# Altium PCB Evaluation Board.PcbDoc (part 9 of 22) (continued)
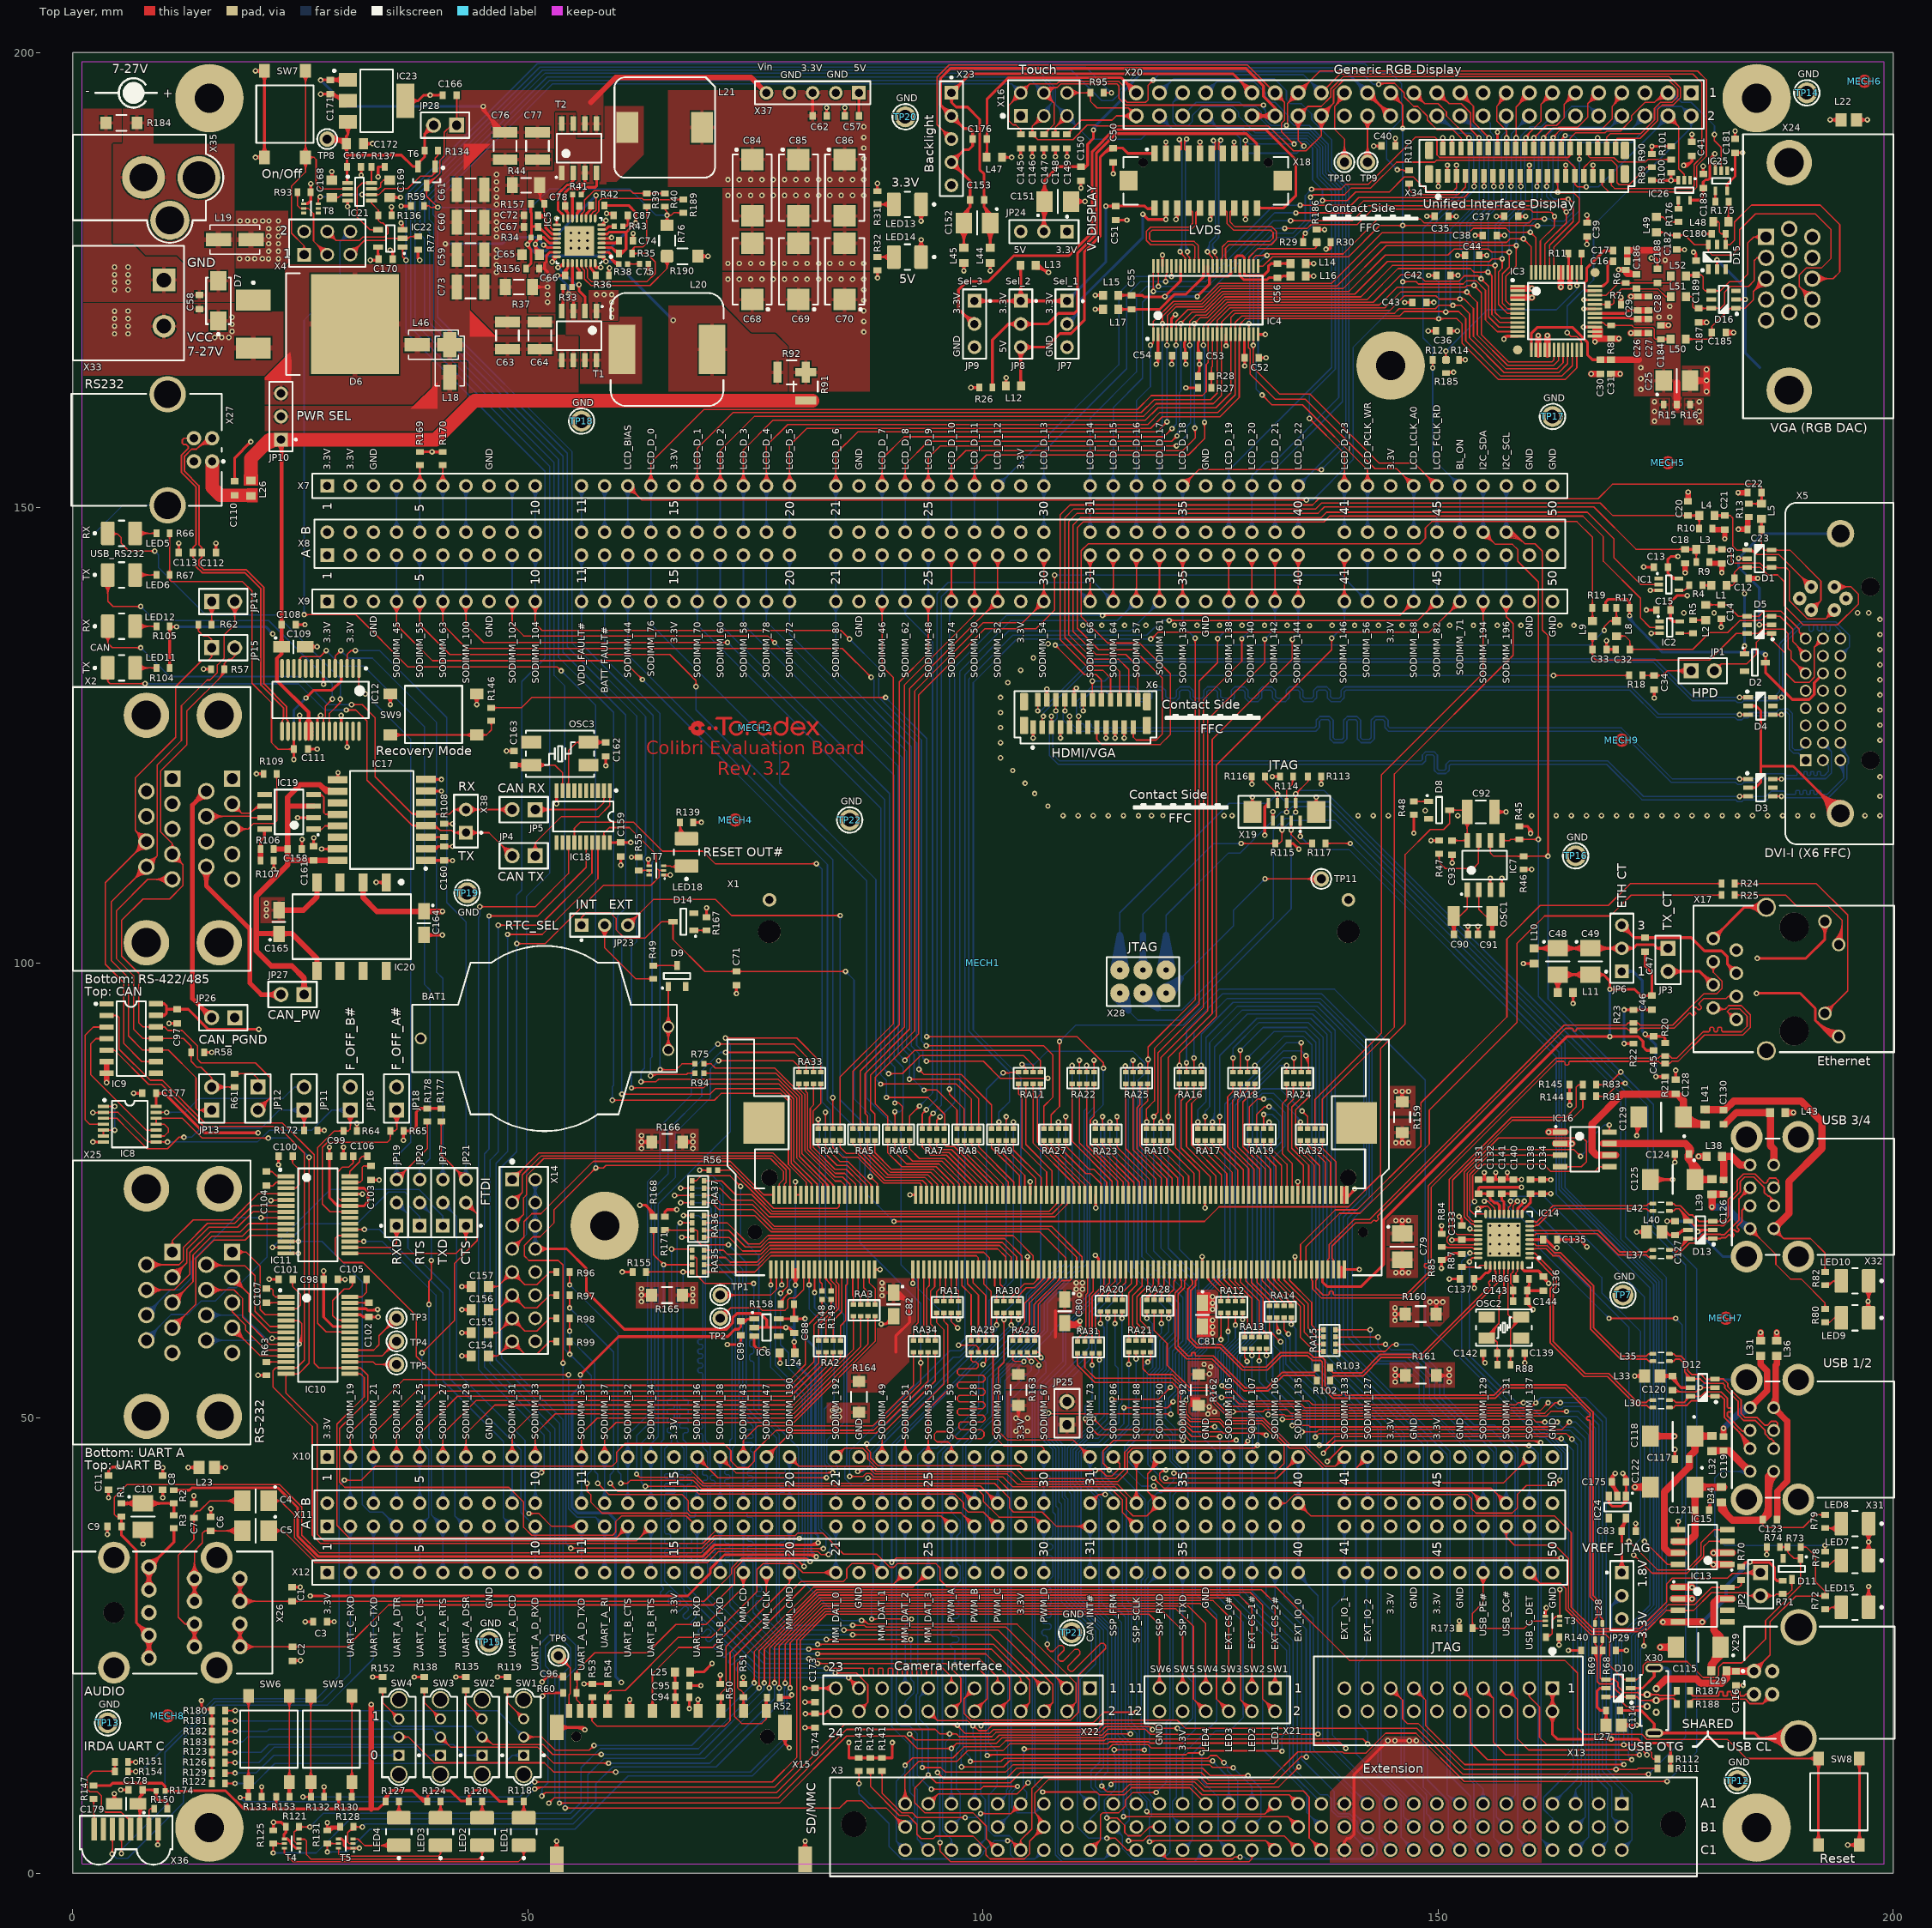
[diagram p0: Top Layer view]
## Nets (pads, with @x,y where several pads share a name; then routed paths per layer and width w, separated by ;. In a path a pad name is that pad's centre, name@x,y a point inside that pad or via, vN(x,y) a via of type N, cw(c..) or ccw(c..) an arc to the next point about the centre after c; other vN are vias at no path point) (continued)
HEADPHONE_AC_L: C4.2 C7.2 X26.24 X26.25 | length 49.6
  Top Layer w0.15: X26.24@12.605,27.164 ccw(c12.325,27.085) 12.325,27.375 ; X26.24@12.605,27.586 cw(c12.325,27.665) 12.325,27.375 ; X26.25@12.802,25.423 ccw(c11.479,26.746) 13.35,26.746 ccw(c15.221,26.746) X26.25@13.898,25.423 ; X26.24@12.802,26.827 cw(c11.479,25.504) 13.35,25.504 cw(c15.221,25.504) X26.24@13.898,26.827 ; X26.25@12.908,25.317 ccw(c11.841,26.383) 13.35,26.383 ccw(c14.859,26.384) X26.25@13.792,25.317 ; X26.24@12.908,26.933 cw(c11.841,25.866) 13.35,25.866 cw(c14.859,25.866) X26.24@13.792,26.933 ; X26.25@13.014,25.211 ccw(c12.204,26.021) 13.35,26.021 ccw(c14.497,26.021) X26.25@13.686,25.211 ; X26.24@13.014,27.039 cw(c12.204,26.228) 13.35,26.228 cw(c14.497,26.228) X26.24@13.686,27.039 ; C7.2@13.097,38.837 cw(c12.627,38.367) 13.291,38.367 cw(c13.955,38.367) C7.2@13.485,38.837 ; X26.25@13.128,25.617 ccw(c13.065,25.83) 13.283,25.87 ccw(c13.576,25.923) X26.25@13.514,25.632 ; C7.2@13.161,39.273 ccw(c13.044,39.491) 13.291,39.491 ; X26.25@13.187,25.632 ccw(c13.124,25.923) 13.417,25.87 ccw(c13.635,25.83) X26.25@13.572,25.617 ; X26.25@13.35,24.875 X26.24@13.35,27.375 12.325,27.375 ; C7.2@13.421,39.273 cw(c13.538,39.491) 13.291,39.491 ; C4.2@18.03,40.318 ccw(c16.621,38.909) 16.621,40.901 ccw(c16.621,42.893) C4.2@18.03,41.484 ; C4.2@18.136,40.424 ccw(c16.983,39.271) 16.983,40.901 ccw(c16.983,42.53) C4.2@18.136,41.378 ; C4.2@18.242,40.53 ccw(c17.346,39.633) 17.346,40.901 ccw(c17.346,42.168) C4.2@18.242,41.272 ; C4.2@18.348,40.636 ccw(c17.708,39.996) 17.708,40.901 ccw(c17.708,41.806) C4.2@18.348,41.166 ; C4.2@18.613,40.901 15.026,40.901 13.931,39.806 13.606,39.806 13.291,39.491 ; 12.325,27.375 11.575,28.125 11.575,34.925 13.291,36.641 C7.2@13.291,39.031 13.291,39.491
HEADPHONE_AC_R: C5.2 C6.2 X26.22 X26.23 | length 46
  Top Layer w0.15: X26.23@12.802,30.423 ccw(c11.479,31.746) 13.35,31.746 ccw(c15.221,31.746) X26.23@13.898,30.423 ; X26.22@12.802,31.827 cw(c11.479,30.504) 13.35,30.504 cw(c15.221,30.504) X26.22@13.898,31.827 ; X26.22@12.802,32.923 ccw(c11.479,34.246) 13.35,34.246 ccw(c15.221,34.246) X26.22@13.898,32.923 ; X26.23@12.908,30.317 ccw(c11.841,31.383) 13.35,31.383 ; X26.22@12.908,31.933 cw(c11.841,30.866) 13.35,30.866 cw(c14.859,30.866) X26.22@13.792,31.933 ; X26.22@12.908,32.817 ccw(c11.841,33.884) 13.35,33.884 ccw(c14.859,33.884) X26.22@13.792,32.817 ; X26.23@13.014,30.211 ccw(c12.204,31.021) 13.35,31.021 ccw(c14.497,31.021) X26.23@13.686,30.211 ; X26.22@13.014,32.039 cw(c12.204,31.228) 13.35,31.228 cw(c14.497,31.228) X26.22@13.686,32.039 ; X26.22@13.014,32.711 ccw(c12.203,33.521) 13.35,33.521 ccw(c14.497,33.521) X26.22@13.686,32.711 ; X26.22@13.128,31.632 cw(c13.065,31.419) 13.283,31.379 cw(c13.576,31.326) X26.22@13.514,31.617 ; X26.22@13.187,31.617 cw(c13.124,31.326) 13.417,31.379 cw(c13.635,31.419) X26.22@13.572,31.632 ; X26.23@13.35,29.875 X26.22@13.35,32.375 13.35,35.409 14.216,36.274 14.216,37.341 14.481,37.606 ; 13.35,31.384 ccw(c14.859,31.384) X26.23@13.792,30.317 ; C6.2@14.865,37.428 ccw(c14.481,37.102) 14.481,37.606 ; C6.2@14.865,37.784 cw(c14.481,38.11) 14.481,37.606 ; C6.2@15.419,37.412 cw(c15.903,36.928) 15.903,37.612 ; C6.2@15.419,37.801 ccw(c15.875,38.256) 15.875,37.612 ; C5.2@18.03,37.029 ccw(c16.621,35.62) 16.621,37.612 ccw(c16.621,39.604) C5.2@18.03,38.195 ; C5.2@18.136,37.135 ccw(c16.983,35.982) 16.983,37.612 ccw(c16.983,39.241) C5.2@18.136,38.089 ; C5.2@18.242,37.241 ccw(c17.346,36.344) 17.346,37.612 ccw(c17.346,38.879) C5.2@18.242,37.983 ; C5.2@18.348,37.347 ccw(c17.708,36.707) 17.708,37.612 ccw(c17.708,38.517) C5.2@18.348,37.877 ; C5.2@18.613,37.612 15.156,37.612 C6.2@15.15,37.606 14.481,37.606
HEADPHONE_L: C4.1 X1.15 | length 102.5
  Top Layer w0.15: C4.1@21.513,40.901 22.799,40.901 ; C4.1@22.127,40.619 cw(c22.565,40.418) 22.565,40.901 cw(c22.565,41.384) C4.1@22.127,41.182 ; C4.1@22.263,40.557 cw(c22.799,40.311) 22.799,40.901 ; C4.1@22.263,41.245 ccw(c22.799,41.491) 22.799,40.901 ; v1@80.723,64.777 ccw(c80.339,65.161) 80.882,65.161 ccw(c81.425,65.161) v1@81.041,64.777 ; X1.15@80.811,65.421 cw(c80.641,65.25) 80.882,65.25 cw(c81.123,65.25) X1.15@80.953,65.421 ; v1(80.882,64.618) X1.15@80.882,66.316 ; v1@82.291,35.491 ccw(c81.907,35.107) 81.907,35.65 ccw(c81.907,36.193) v1@82.291,35.809 ; v1(82.45,35.65) 70.58,35.65 69.355,34.425 26.789,34.425 24.325,36.889 24.325,39.375 22.799,40.901
  Bottom Layer w0.15: v1@80.723,64.459 cw(c80.339,64.074) 80.882,64.074 cw(c81.425,64.074) v1@81.041,64.459 ; v1(80.882,64.618) 80.882,61.993 81.945,60.93 81.945,37.781 82.75,36.976 82.75,35.95 v1(82.45,35.65)
HEADPHONE_R: C5.1 X1.17 | length 106.3
  Top Layer w0.15: C5.1@21.513,37.612 23.088,37.612 ; C5.1@21.945,37.313 cw(c22.515,36.918) 22.515,37.612 cw(c22.515,38.306) C5.1@21.945,37.911 ; C5.1@22.068,37.228 cw(c22.802,36.719) 22.802,37.612 cw(c22.802,38.505) C5.1@22.068,37.996 ; C5.1@22.191,37.142 cw(c23.088,36.521) 23.088,37.612 ; C5.1@22.191,38.082 ccw(c23.088,38.703) 23.088,37.612 ; v1@81.327,63.941 ccw(c80.943,64.325) 81.486,64.325 ccw(c82.029,64.325) v1@81.645,63.941 ; X1.17@81.411,65.421 cw(c81.231,65.24) 81.486,65.24 ; v1(81.486,63.782) X1.17@81.486,66.316 ; 81.486,65.26 cw(c81.714,65.26) X1.17@81.553,65.421 ; v1@82.866,34.841 ccw(c82.482,34.457) 82.482,35 ccw(c82.482,35.543) v1@82.866,35.159 ; v1(83.025,35) 82.2,35 81.85,35.35 70.953,35.35 69.728,34.125 26.575,34.125 23.088,37.612
  Bottom Layer w0.15: v1@81.327,63.623 cw(c80.943,63.239) 81.486,63.239 cw(c82.029,63.239) v1@81.645,63.623 ; v1(81.486,63.782) 81.486,62.1 82.245,61.341 82.245,37.905 83.275,36.875 83.275,35.25 v1(83.025,35) ; v1@82.866,35.159 ccw(c81.878,36.147) 83.275,36.147 ; v1@82.972,35.053 ccw(c82.24,35.785) 83.275,35.785 ; v1@83.078,34.947 ccw(c82.603,35.422) 83.275,35.422
HOTPLUG_DETECT: C34.1 JP1.1 R18.2 | length 15.5
  Top Layer w0.15: R18.2@172.429,131.572 C34.1@173.736,131.572 174.647,131.572 175.175,132.1 177.78,132.1 JP1.1@177.8,132.08 ; R18.2@172.606,131.395 cw(c173.033,130.968) 173.033,131.572 cw(c173.033,132.176) R18.2@172.606,131.749 ; C34.1@173.467,131.378 ccw(c172.997,130.908) 172.997,131.572 ccw(c172.997,132.236) C34.1@173.467,131.766 ; C34.1@174.005,131.378 cw(c174.475,130.908) 174.475,131.572 cw(c174.475,132.236) C34.1@174.005,131.766 ; 175.941,132.1 cw(c175.941,130.221) JP1.1@177.27,131.55 ; 176.038,132.1 ccw(c176.038,133.842) JP1.1@177.27,132.61 ; 176.303,132.1 cw(c176.303,130.583) JP1.1@177.376,131.656 ; 176.4,132.1 ccw(c176.4,133.48) JP1.1@177.376,132.504 ; 176.665,132.1 cw(c176.665,130.945) JP1.1@177.482,131.762 ; 176.762,132.1 ccw(c176.762,133.118) JP1.1@177.482,132.398
HOTPLUG_DETECT_C: D5.1 JP1.2 X5.16 | length 29
  Top Layer w0.15: JP1.2@180.34,132.08 181.11,132.85 ; JP1.2@180.585,132.628 ccw(c180.721,132.931) 180.956,132.696 ccw(c181.191,132.461) JP1.2@180.888,132.325 ; JP1.2@180.646,132.765 ccw(c180.816,133.144) 181.11,132.85 ; JP1.2@181.025,132.386 cw(c181.404,132.556) 181.11,132.85 ; D5.1@186.242,136.063 ccw(c185.944,135.764) 185.944,136.187 ccw(c185.944,136.609) D5.1@186.242,136.31 ; D5.1@186.517,136.063 cw(c186.219,135.764) 186.641,135.764 cw(c187.063,135.764) D5.1@186.765,136.063 ; X5.16@191.705,135.616 cw(c190.407,135.591) 191.325,134.673 ; X5.16@191.855,135.619 cw(c190.896,135.6) 191.574,134.922 cw(c192.253,134.243) X5.16@192.272,135.203 ; X5.16@192.269,135.053 ccw(c192.243,133.754) 191.325,134.673 ; X5.16@192.28,135.628 191.325,134.673 ; 181.11,132.85 183.9,132.85 184.975,133.925 184.975,135.225 185.937,136.187 D5.1@186.641,136.187 186.641,135.534 188.175,134 188.175,131.85 189.2,130.825 190.775,130.825 191.325,131.375 191.325,134.673
HOTPLUG_DETECT_T: R18.1 X6.14 | length 66.6
  Top Layer w0.14: v1@111.837,130.787 cw(c111.44,130.39) 112.002,130.39 ; X6.14@111.839,129.504 ccw(c111.447,129.897) 112.002,129.897 ccw(c112.557,129.897) X6.14@112.165,129.504 ; v1(112,130.95) 112.002,130.948 X6.14@112.002,128.891 ; 112.002,130.4 cw(c112.55,130.4) v1@112.163,130.787
  Top Layer w0.15: v1(162.675,131.572) R18.1@170.979,131.572 ; v1@162.834,131.413 cw(c163.218,131.029) 163.218,131.572 cw(c163.218,132.115) v1@162.834,131.731 ; R18.1@170.802,131.395 ccw(c170.375,130.968) 170.375,131.572 ccw(c170.375,132.176) R18.1@170.802,131.749
  Bottom Layer w0.14: v1(112,130.95) 113.35,130.95 113.972,131.572 v1(162.675,131.572) ; v1@112.163,130.787 cw(c112.555,130.395) 112.555,130.95 cw(c112.555,131.505) v1@112.163,131.113 ; v1@162.512,131.409 ccw(c162.12,131.017) 162.12,131.572 ccw(c162.12,132.127) v1@162.512,131.735
I2C_SCL: IC7.6 R46.1 R83.1 X3.C28 X7.48 X8.B48 X22.15 | length 324.1
  Top Layer w0.15: 93.509,10.375 cw(c93.98,9.904) 93.98,10.57 cw(c93.98,10.027) 94.364,10.411 cw(c94.748,10.795) v1@94.205,10.795 ; 93.632,10.498 ccw(c93.334,10.795) v1@93.755,10.795 ; v1@93.929,10.795 92.481,9.347 92.481,7.74 93.576,6.645 98.874,6.645 100.355,5.163 100.355,3.785 X3.C28@101.6,2.54 ; v1(93.98,10.795) 94.844,9.931 102.997,9.931 104.116,11.05 123.975,11.05 124.831,10.194 131.453,10.194 134.586,13.327 139.499,13.327 139.635,13.191 142.041,13.191 144.225,15.375 147.567,15.375 152.859,10.084 v1(175.158,10.084) ; X3.C28@100.925,2.54 ccw(c99.295,2.54) 100.448,3.692 ccw(c101.6,4.845) X3.C28@101.6,3.215 ; X3.C28@101.075,2.54 ccw(c99.808,2.54) 100.704,3.436 ccw(c101.6,4.332) X3.C28@101.6,3.065 ; X3.C28@101.225,2.54 ccw(c100.32,2.54) 100.96,3.18 ccw(c101.6,3.82) X3.C28@101.6,2.915 ; IC7.6@155.568,112.777 cw(c155.184,112.393) 155.727,112.393 cw(c156.271,112.393) IC7.6@155.886,112.777 ; IC7.6@155.727,113.436 155.727,112.09 156.102,111.715 R46.1@159.377,111.715 v1(162.071,111.715) 162.077,111.722 162.077,135.948 161.45,136.575 161.45,145.25 160.65,146.05 159.525,146.05 ; X8.B48@157.441,147.542 cw(c157.612,146.577) 158.305,147.27 ; X8.B48@157.467,147.394 cw(c157.674,146.232) 158.509,147.066 ; X8.B48@157.48,147.32 158.255,147.32 ; X8.B48@157.493,147.246 cw(c157.735,145.887) 158.712,146.863 ; X8.B48@157.519,147.098 cw(c157.797,145.542) 158.915,146.66 ; X8.B48@157.546,146.951 cw(c157.859,145.197) 159.118,146.457 ; X8.B48@157.572,146.803 cw(c157.92,144.852) 159.322,146.253 ; X8.B48@157.598,146.655 cw(c157.982,144.507) 159.525,146.05 ; X8.B48@158.149,147.227 cw(c158.255,147.213) 158.255,147.32 ; X8.B48@158.149,147.413 ccw(c158.255,147.427) 158.255,147.32 ; R46.1@159.101,111.539 ccw(c158.674,111.112) 158.674,111.715 ccw(c158.674,112.319) R46.1@159.101,111.892 ; R46.1@159.654,111.539 cw(c160.081,111.112) 160.081,111.715 cw(c160.081,112.319) R46.1@159.654,111.892 ; v1@161.912,111.556 ccw(c161.528,111.172) 161.528,111.715 ccw(c161.528,112.259) 161.912,111.874 ccw(c161.513,112.274) 162.077,112.274 ; 162.077,112.244 ccw(c162.599,112.244) v1@162.23,111.874 ; R83.1@167.348,86.615 168.665,86.615 v1(170.075,88.025) ; R83.1@167.525,86.438 cw(c167.952,86.011) 167.952,86.615 cw(c167.952,87.219) R83.1@167.525,86.792 ; v1@169.85,88.025 cw(c169.307,88.025) 169.691,87.641 cw(c170.075,87.257) v1@170.075,87.8 ; v1@174.999,9.925 ccw(c174.615,9.541) 174.615,10.084 ccw(c174.615,10.627) v1@174.999,10.243 ; 158.255,147.32 159.525,146.05
  Bottom Layer w0.15: X22.15@93.31,20.236 cw(c92.248,20.102) 93.005,19.345 ; X22.15@93.459,20.254 cw(c92.633,20.151) 93.222,19.562 cw(c93.811,18.973) X22.15@93.914,19.799 ; X22.15@93.608,20.273 cw(c93.018,20.199) 93.438,19.778 cw(c93.859,19.358) X22.15@93.933,19.948 ; v1@93.821,10.954 ccw(c93.437,11.338) 93.98,11.338 ccw(c94.523,11.338) v1@94.139,10.954 ; X22.15@93.896,19.65 ccw(c93.762,18.588) 93.005,19.345 ; v1(93.98,10.795) 93.98,15.954 93.005,16.929 93.005,19.345 ; X22.15@93.98,20.32 93.005,19.345 ; X8.B48@157.003,147.797 ccw(c155.85,148.95) 157.48,148.95 ccw(c159.11,148.95) X8.B48@157.957,147.797 ; X7.48@157.003,151.923 cw(c155.85,150.77) 157.48,150.77 cw(c159.11,150.77) X7.48@157.957,151.923 ; X8.B48@157.109,147.691 ccw(c156.213,148.587) 157.48,148.587 ccw(c158.747,148.587) X8.B48@157.851,147.691 ; X7.48@157.109,152.029 cw(c156.213,151.133) 157.48,151.133 cw(c158.747,151.133) X7.48@157.851,152.029 ; X8.B48@157.215,147.585 ccw(c156.575,148.225) 157.48,148.225 ccw(c158.385,148.225) X8.B48@157.745,147.585 ; X7.48@157.215,152.135 cw(c156.575,151.495) 157.48,151.495 cw(c158.385,151.495) X7.48@157.745,152.135 ; X8.B48@157.48,147.32 X7.48@157.48,152.4 ; v1@161.912,111.556 cw(c161.513,111.157) 162.077,111.157 ; 162.077,111.187 cw(c162.599,111.187) v1@162.23,111.556 ; v1@162.077,111.715 162.077,96.023 173.65,84.45 173.65,71.125 178.425,66.35 178.425,53.694 178.288,53.557 178.288,53.123 178.425,52.986 178.425,13.35 v1(175.158,10.084) ; v1@169.85,88.025 ccw(c169.307,88.025) 169.691,88.409 ccw(c170.075,88.793) v1@170.075,88.25 ; v1@170.075,87.8 cw(c170.075,87.257) 170.459,87.641 cw(c170.843,88.025) v1@170.3,88.025 ; v1@175.158,10.309 ccw(c175.158,10.852) 175.542,10.468 ccw(c175.927,10.084) v1@175.383,10.084
I2C_SDA: IC7.5 R45.1 R81.1 X3.A29 X7.47 X8.B47 X22.16 | length 294.5
  Top Layer w0.15: X22.16@93.98,17.78 94.981,16.779 ; X22.16@94.019,17.407 cw(c94.085,16.773) 94.536,17.224 cw(c94.987,17.675) X22.16@94.353,17.741 ; X22.16@94.035,17.258 cw(c94.127,16.37) 94.759,17.001 cw(c95.39,17.633) X22.16@94.502,17.725 ; X22.16@94.05,17.109 cw(c94.17,15.967) 94.981,16.779 ; X22.16@94.651,17.71 ccw(c95.793,17.59) 94.981,16.779 ; v1@98.832,16.205 98.258,16.779 94.981,16.779 ; v1@98.882,15.98 cw(c98.882,15.206) 99.43,15.753 ; v1@98.882,16.13 cw(c98.882,15.718) 99.174,16.009 ; v1@98.978,16.205 99.528,15.655 100.38,15.655 100.929,16.204 112.445,16.204 113.046,16.805 120.736,16.805 ; v1@99.107,16.205 ccw(c99.419,16.205) 99.199,15.985 ; 120.737,16.806 121.344,16.806 122.251,15.9 147.675,15.9 152.704,10.871 v1(173.101,10.871) ; X8.B47@154.94,146.645 cw(c154.94,145.015) 156.092,146.168 cw(c157.245,147.32) X8.B47@155.615,147.32 ; X8.B47@154.94,146.795 cw(c154.94,145.528) 155.836,146.424 cw(c156.732,147.32) X8.B47@155.465,147.32 ; X8.B47@154.94,146.945 cw(c154.94,146.04) 155.58,146.68 cw(c156.22,147.32) X8.B47@155.315,147.32 ; X8.B47@154.94,147.32 156.285,145.975 158.175,145.975 158.75,145.4 158.75,144.1 161.011,141.839 161.011,113.571 v1(161.007,113.567) R45.1@158.902,113.567 158.898,113.563 157.963,113.563 157.836,113.436 IC7.5@156.997,113.436 ; IC7.5@157.156,113.277 cw(c157.541,112.893) 157.541,113.436 cw(c157.541,113.98) IC7.5@157.156,113.595 ; 158.189,113.563 ccw(c158.189,114.181) R45.1@158.626,113.744 ; 158.209,113.563 cw(c158.209,112.974) R45.1@158.626,113.391 ; R45.1@159.179,113.391 cw(c159.606,112.964) 159.606,113.567 cw(c159.606,114.171) R45.1@159.179,113.744 ; v1@160.847,113.408 ccw(c160.463,113.024) 160.463,113.567 ccw(c160.463,114.111) 160.847,113.727 ccw(c160.454,114.12) 161.011,114.12 ; 161.011,114.101 ccw(c161.54,114.101) v1@161.166,113.727 ; R81.1@167.348,85.345 168.445,85.345 169.875,86.775 v1(170.55,86.775) ; R81.1@167.525,85.168 cw(c167.952,84.741) 167.952,85.345 cw(c167.952,85.949) R81.1@167.525,85.522 ; v1@170.391,86.616 ccw(c170.007,86.232) 170.007,86.775 ccw(c170.007,87.318) v1@170.391,86.934 ; v1@172.942,10.712 ccw(c172.558,10.328) 172.558,10.871 ccw(c172.558,11.414) v1@172.942,11.03
  Bottom Layer w0.15: X3.A29@98.583,8.097 ccw(c97.144,9.536) 99.179,9.536 ; X3.A29@98.689,7.991 ccw(c97.506,9.174) 99.179,9.174 ; v1@98.723,16.046 cw(c98.308,15.631) 98.895,15.631 ; X3.A29@98.795,7.885 ccw(c97.868,8.812) 99.179,8.812 ; 98.895,15.693 cw(c99.395,15.693) v1@99.041,16.046 ; v1@98.895,16.218 98.895,15.03 99.179,14.746 99.179,7.739 X3.A29@99.06,7.62 ; X3.A29@98.901,7.779 ccw(c98.23,8.45) 99.179,8.45 ; 99.179,8.601 ccw(c100.041,8.601) X3.A29@99.431,7.991 ; 99.179,8.963 ccw(c100.403,8.963) X3.A29@99.537,8.097 ; X8.B47@154.463,147.797 ccw(c153.31,148.95) 154.94,148.95 ccw(c156.57,148.95) X8.B47@155.417,147.797 ; X7.47@154.463,151.923 cw(c153.31,150.77) 154.94,150.77 cw(c156.57,150.77) X7.47@155.417,151.923 ; X8.B47@154.569,147.691 ccw(c153.673,148.587) 154.94,148.587 ccw(c156.207,148.587) X8.B47@155.311,147.691 ; X7.47@154.569,152.029 cw(c153.673,151.133) 154.94,151.133 cw(c156.207,151.133) X7.47@155.311,152.029 ; X8.B47@154.675,147.585 ccw(c154.035,148.225) 154.94,148.225 ccw(c155.845,148.225) X8.B47@155.205,147.585 ; X7.47@154.675,152.135 cw(c154.035,151.495) 154.94,151.495 cw(c155.845,151.495) X7.47@155.205,152.135 ; X8.B47@154.94,147.32 X7.47@154.94,152.4 ; v1@160.847,113.408 cw(c160.463,113.024) 161.007,113.024 cw(c161.55,113.024) v1@161.166,113.408 ; v1(161.007,113.567) 161.007,96.318 173.05,84.275 173.05,70.95 177.175,66.825 177.175,14.945 v1(173.101,10.871) ; v1@170.325,86.775 ccw(c169.782,86.775) 170.166,87.159 ccw(c170.55,87.543) v1@170.55,87 ; v1@170.55,86.55 cw(c170.55,86.007) 170.934,86.391 cw(c171.318,86.775) v1@170.775,86.775 ; v1@173.101,11.096 ccw(c173.101,11.639) 173.485,11.255 ccw(c173.869,10.871) v1@173.326,10.871
  other v1: 98.882,16.205
INT#: IC21.5 R136.2 X4.4 | length 18.1
  Top Layer w0.15: X4.4@27.94,180.34 28.915,179.365 ; X4.4@27.987,179.968 cw(c28.061,179.378) 28.482,179.798 cw(c28.902,180.219) X4.4@28.312,180.293 ; X4.4@28.006,179.819 cw(c28.109,178.993) 28.698,179.582 cw(c29.287,180.171) X4.4@28.461,180.274 ; X4.4@28.024,179.67 cw(c28.158,178.608) 28.915,179.365 ; X4.4@28.61,180.256 ccw(c29.672,180.122) 28.915,179.365 ; IC21.5@32.722,183.642 cw(c32.545,183.45) 32.806,183.45 ; IC21.5@32.806,183.734 32.806,183.45 ; IC21.5@32.89,183.642 ccw(c33.066,183.45) 32.806,183.45 ; R136.2@33.424,182.425 ccw(c33.243,182.691) 33.565,182.691 ; R136.2@33.425,181.811 cw(c33.248,181.548) 33.565,181.548 ; R136.2@33.705,181.811 ccw(c33.882,181.548) 33.565,181.548 ; R136.2@33.706,182.425 cw(c33.887,182.691) 33.565,182.691 ; 28.915,179.365 31.486,179.365 31.852,179.73 34.214,179.73 34.62,180.137 34.62,180.721 34.061,181.28 33.833,181.28 33.565,181.548 ; 32.806,183.45 33.565,182.691 ; 33.565,181.548 R136.2@33.565,182.118 33.565,182.691
IRDA_SD: R151.2 R154.1 X36.5 | length 19.4
  Top Layer w0.15: R154.1@4.432,11.016 ccw(c4.005,10.589) 4.005,11.193 ccw(c4.005,11.797) R154.1@4.432,11.37 ; R154.1@4.432,11.47 ccw(c4.005,11.897) 4.609,11.897 ccw(c5.213,11.897) R154.1@4.786,11.47 ; R151.2@4.432,11.932 cw(c4.005,11.505) 4.609,11.505 cw(c5.213,11.505) R151.2@4.786,11.932 ; R154.1@4.472,11.502 ccw(c4.364,11.665) 4.553,11.715 ccw(c4.847,11.794) R154.1@4.716,11.519 ; R154.1@4.502,11.519 ccw(c4.371,11.794) 4.665,11.715 ccw(c4.854,11.665) R154.1@4.746,11.502 ; R151.2@4.609,12.209 R154.1@4.609,11.193 2.193,11.193 1.575,10.575 1.575,9.25 1.875,8.95 2.678,8.95 3.15,8.478 3.15,7.125 3.575,6.7 5.315,6.7 6.342,5.673 X36.5@6.342,4.826 X36.5@6.342,3.979 ; 5.782,6.233 ccw(c6.342,6.793) X36.5@6.342,6.001 ; 6.031,5.984 cw(c5.822,5.776) X36.5@6.117,5.776 ; 6.038,5.977 ccw(c6.342,6.28) X36.5@6.342,5.851
JTAG_SYSRESET#: R111.1 X13.15 X19.1 | length 169.9
  Top Layer w0.15: v1@134.691,114.059 ccw(c134.316,114.434) 134.846,114.434 ; X19.1@134.758,115.148 cw(c134.544,114.934) 134.846,114.934 cw(c135.148,114.934) X19.1@134.934,115.148 ; 134.846,114.453 ccw(c135.403,114.453) v1@135.009,114.059 ; X19.1@134.846,115.611 134.846,113.904 v1(134.85,113.9) ; X13.15@144.78,19.645 cw(c144.78,18.015) 145.932,19.168 cw(c147.085,20.32) X13.15@145.455,20.32 ; X13.15@144.78,19.795 cw(c144.78,18.528) 145.676,19.424 cw(c146.572,20.32) X13.15@145.305,20.32 ; X13.15@144.78,19.945 cw(c144.78,19.04) 145.42,19.68 cw(c146.06,20.32) X13.15@145.155,20.32 ; X13.15@144.78,20.32 146.101,18.999 146.101,16.949 146.6,16.45 147.8,16.45 152.845,11.405 v1(169.545,11.405) 171.855,11.405 171.964,11.514 R111.1@174.083,11.514 ; v1@169.386,11.246 ccw(c169.002,10.861) 169.002,11.405 ccw(c169.002,11.948) v1@169.386,11.564 ; v1@169.704,11.246 cw(c170.088,10.861) 170.088,11.405 cw(c170.088,11.948) v1@169.704,11.564 ; R111.1@173.906,11.337 ccw(c173.479,10.91) 173.479,11.514 ccw(c173.479,12.118) R111.1@173.906,11.691
  Bottom Layer w0.15: v1@134.85,113.675 cw(c134.85,113.132) 135.234,113.516 cw(c135.618,113.9) v1@135.075,113.9 ; v1(134.85,113.9) 136.3,112.45 140.2,112.45 162.975,89.675 162.975,74.6 173.275,64.3 173.275,29.449 169.525,25.699 169.525,11.425 v1(169.545,11.405) ; v1@169.386,11.564 ccw(c169.05,11.9) 169.525,11.9 ; 169.525,11.996 ccw(c170.136,11.996) v1@169.704,11.564
JTAG_TCK: R114.2 X13.9 X19.4 X28.3 | length 193.4
  Top Layer w0.15: X19.4@133.258,117.098 cw(c133.044,116.884) 133.346,116.884 cw(c133.648,116.884) X19.4@133.434,117.098 ; X19.4@133.258,118.024 ccw(c133.044,118.238) 133.346,118.238 ccw(c133.648,118.238) X19.4@133.434,118.024 ; v2(133.346,116.559) X19.4@133.346,117.561 133.346,118.971 133.948,119.573 R114.2@133.948,120.396 ; R114.2@133.884,120.19 cw(c133.729,120.035) 133.948,120.035 ; 133.948,119.565 cw(c134.766,119.565) R114.2@134.226,120.179 ; 133.948,119.897 cw(c134.474,119.897) R114.2@134.127,120.292 ; X13.9@152.4,19.645 cw(c152.4,18.015) 153.552,19.168 cw(c154.705,20.32) X13.9@153.075,20.32 ; X13.9@152.4,19.795 cw(c152.4,18.528) 153.296,19.424 cw(c154.192,20.32) X13.9@152.925,20.32 ; X13.9@152.4,19.945 cw(c152.4,19.04) 153.04,19.68 cw(c153.68,20.32) X13.9@152.775,20.32 ; X13.9@152.4,20.32 153.568,19.152 153.568,14.307 155.409,12.466 v1(171.272,12.466) ; v1@171.113,12.307 ccw(c170.729,11.923) 170.729,12.466 ccw(c170.729,13.009) v1@171.113,12.625
  Bottom Layer w0.15: 120.112,103.073 120.112,105.228 126.959,112.075 128.258,112.075 132.747,116.565 133.34,116.565 v2(133.346,116.559) 133.962,117.175 137.924,117.175 163.925,91.174 163.925,75.349 174.275,64.999 174.275,29.101 171.25,26.076 171.25,17.55 170.866,17.166 170.866,14.374 170.925,14.314 170.925,12.813 ; 132.789,116.565 cw(c132.789,116.002) v2@133.187,116.4 ; 132.817,116.565 ccw(c132.817,117.088) v2@133.187,116.718 ; v2@133.346,116.784 ccw(c133.346,117.327) 133.73,116.943 ccw(c134.114,116.559) v2@133.571,116.559 ; v1@171.048,12.482 ccw(c170.626,12.514) 170.925,12.813 ; v1@171.256,12.69 cw(c171.224,13.112) 170.925,12.813 ; v1(171.272,12.466) 170.925,12.813
  Bottom Layer w0.7: X28.3@119.617,99.711 ccw(c118.422,100.906) 120.112,100.906 ccw(c121.802,100.906) X28.3@120.607,99.711 ; X28.3@120.112,99.217 120.112,103.073
JTAG_TDI: R113.2 X13.5 X19.2 X28.1 | length 198.6
  Top Layer w0.15: X19.2@134.258,117.098 cw(c134.044,116.884) 134.346,116.884 cw(c134.648,116.884) X19.2@134.434,117.098 ; X19.2@134.258,118.024 ccw(c134.044,118.238) 134.346,118.238 ccw(c134.648,118.238) X19.2@134.434,118.024 ; v2(134.346,116.559) X19.2@134.346,117.561 v1(134.346,118.563) 135.694,119.911 ; v1@134.346,118.788 ccw(c134.346,119.331) 134.73,118.947 ccw(c135.114,118.563) v1@134.571,118.563 ; R113.2@135.56,120.156 cw(c135.403,119.911) 135.694,119.911 ; R113.2@135.694,120.467 135.694,119.911 ; R113.2@135.828,120.156 ccw(c135.985,119.911) 135.694,119.911 ; X13.5@157.48,19.645 cw(c157.48,18.015) 158.632,19.168 cw(c159.785,20.32) X13.5@158.155,20.32 ; X13.5@157.48,19.795 cw(c157.48,18.528) 158.376,19.424 cw(c159.272,20.32) X13.5@158.005,20.32 ; X13.5@157.48,19.945 cw(c157.48,19.04) 158.12,19.68 cw(c158.76,20.32) X13.5@157.855,20.32 ; X13.5@157.48,20.32 158.725,19.075 158.725,14.757 159.944,13.538 172.407,13.538 v1(172.949,12.996) ; v1@172.724,12.996 ccw(c172.18,12.996) 172.564,13.38 ccw(c172.949,13.765) v1@172.949,13.221
  Bottom Layer w0.15: 119.198,95.05 119.448,94.8 ; 119.45,94.8 121.825,94.8 131.875,104.85 131.875,114.55 133.2,115.875 133.662,115.875 v2(134.346,116.559) ; v2@134.121,116.559 cw(c133.578,116.559) 133.962,116.175 cw(c134.346,115.791) v2@134.346,116.334 ; v1(134.346,118.563) 134.708,118.925 ; v1@134.356,118.788 ccw(c134.376,119.257) 134.708,118.925 ; v1@134.571,118.573 cw(c135.04,118.593) 134.708,118.925 ; v1@172.792,13.158 ccw(c172.436,13.527) 172.949,13.527 ; v1(172.949,12.996) 172.949,13.527 ; v1@173.105,13.158 cw(c173.462,13.527) 172.949,13.527 ; 134.708,118.925 137.5,118.925 170.575,85.85 170.575,69.925 175.075,65.425 175.075,29.052 171.95,25.927 171.95,17.204 172.39,16.764 172.39,14.086 172.949,13.527
  Bottom Layer w0.7: X28.1@117.572,95.977 cw(c117.572,94.287) 118.767,95.482 cw(c119.962,96.677) X28.1@118.272,96.677 ; X28.1@117.572,96.677 119.198,95.05
JTAG_TDO: R117.2 X19.3 X28.2 | length 44.7
  Top Layer w0.15: v1@133.696,114.442 cw(c133.392,114.104) 133.846,114.104 ; X19.3@133.758,115.148 cw(c133.544,114.934) 133.846,114.934 cw(c134.148,114.934) X19.3@133.934,115.148 ; X19.3@133.846,115.611 133.846,114.104 ; v1@133.996,114.442 ccw(c134.3,114.104) 133.846,114.104 ; R117.2@135.979,112.936 ccw(c135.552,112.509) 135.552,113.113 ccw(c135.552,113.717) R117.2@135.979,113.29 ; R117.2@136.156,113.113 134.837,113.113 133.846,114.104
  Bottom Layer w0.15: 115.976,94.742 117.018,93.701 121.626,93.701 133.846,105.921 v1(133.846,114.609) ; v1@133.687,114.45 cw(c133.303,114.066) 133.846,114.066 cw(c134.389,114.066) v1@134.005,114.45
  Bottom Layer w0.7: 115.257,95.462 cw(c116.027,96.232) X28.2@115.032,96.677 115.032,95.686 115.976,94.742 cw(c117.023,95.789) X28.2@115.671,96.391
JTAG_TDO_R: R117.1 X13.13 | length 158.1
  Top Layer w0.15: R117.1@137.618,113.125 v1(140.35,113.125) ; R117.1@137.783,112.936 cw(c138.239,112.48) 138.239,113.125 ; R117.1@137.783,113.29 ccw(c138.181,113.688) 138.181,113.125 ; v1@140.191,112.966 ccw(c139.807,112.582) 139.807,113.125 ccw(c139.807,113.668) v1@140.191,113.284 ; X13.13@147.32,19.645 cw(c147.32,18.015) 148.472,19.168 cw(c149.625,20.32) X13.13@147.995,20.32 ; X13.13@147.32,19.795 cw(c147.32,18.528) 148.216,19.424 cw(c149.112,20.32) X13.13@147.845,20.32 ; X13.13@147.32,19.945 cw(c147.32,19.04) 147.96,19.68 cw(c148.6,20.32) X13.13@147.695,20.32 ; X13.13@147.32,20.32 148.641,18.999 148.641,16.209 152.915,11.935 v1(170.409,11.935) ; v1@170.25,11.776 ccw(c169.865,11.392) 169.865,11.935 ccw(c169.865,12.478) v1@170.25,12.094
  Bottom Layer w0.15: v1@140.35,112.9 cw(c140.35,112.357) 140.734,112.741 cw(c141.118,113.125) v1@140.575,113.125 ; v1(140.35,113.125) 163.275,90.2 163.275,75.1 173.675,64.7 173.675,29.424 169.85,25.599 169.85,12.494 v1(170.409,11.935) ; v1@170.184,11.935 ccw(c169.64,11.935) 170.024,12.319 ccw(c170.409,12.703) v1@170.409,12.16
JTAG_TMS: R116.2 X13.7 X19.6 X28.5 | length 196.7
  Top Layer w0.15: R116.2@130.851,120.151 cw(c130.724,119.932) 130.977,119.932 ; R116.2@130.977,120.467 130.977,119.932 ; R116.2@131.103,120.151 ccw(c131.23,119.932) 130.977,119.932 ; v1@132.121,118.563 ccw(c131.578,118.563) 131.962,118.947 ccw(c132.346,119.331) v1@132.346,118.788 ; X19.6@132.258,118.024 ccw(c132.044,118.238) 132.346,118.238 ccw(c132.648,118.238) X19.6@132.434,118.024 ; X19.6@132.346,117.561 v1(132.346,118.563) 130.977,119.932 ; X13.7@154.94,20.32 156.058,19.202 ; X13.7@154.948,19.945 cw(c154.967,19.105) 155.561,19.699 cw(c156.155,20.293) X13.7@155.315,20.312 ; X13.7@154.951,19.795 cw(c154.977,18.619) 155.809,19.451 cw(c156.641,20.283) X13.7@155.465,20.309 ; X13.7@154.955,19.645 cw(c154.988,18.133) 156.058,19.202 ; X13.7@155.615,20.305 ccw(c157.127,20.272) 156.058,19.202 ; v1@171.951,12.837 ccw(c171.567,12.453) 171.567,12.996 ccw(c171.567,13.54) v1@171.951,13.155 ; v1(172.11,12.996) 157.438,12.996 156.058,14.376 156.058,19.202
  Bottom Layer w0.15: 115.032,103.073 115.032,105.507 127.05,117.525 131.308,117.525 v1(132.346,118.563) 133.221,117.688 138.062,117.688 170.05,85.7 170.05,69.675 174.575,65.15 174.575,28.976 171.65,26.051 171.65,17.526 171.272,17.148 171.272,13.835 v1(172.11,12.996) ; v1@132.121,118.563 cw(c131.578,118.563) 131.962,118.179 cw(c132.346,117.795) 132.346,118.338 cw(c132.346,117.795) 132.73,118.179 cw(c133.114,118.563) v1@132.571,118.563 ; v1@171.885,12.996 ccw(c171.342,12.996) 171.726,13.38 ccw(c172.11,13.765) v1@172.11,13.221
  Bottom Layer w0.7: X28.5@114.537,99.711 ccw(c113.342,100.906) 115.032,100.906 ccw(c116.722,100.906) X28.5@115.527,99.711 ; X28.5@115.032,99.217 115.032,103.073